# Altium PCB 400118.PcbDoc (part 2 of 3)
Units mil, origin at the board's own origin, x right, y up, seen from the top; angles counter-clockwise.
Board outline 4000 x 2500 mil, 4 copper layers (Top Layer, Mid-Layer 1, Mid-Layer 2, Bottom Layer), stack 62.293 mil thick; 195 components, 149 nets, 899 pads, 588 vias.
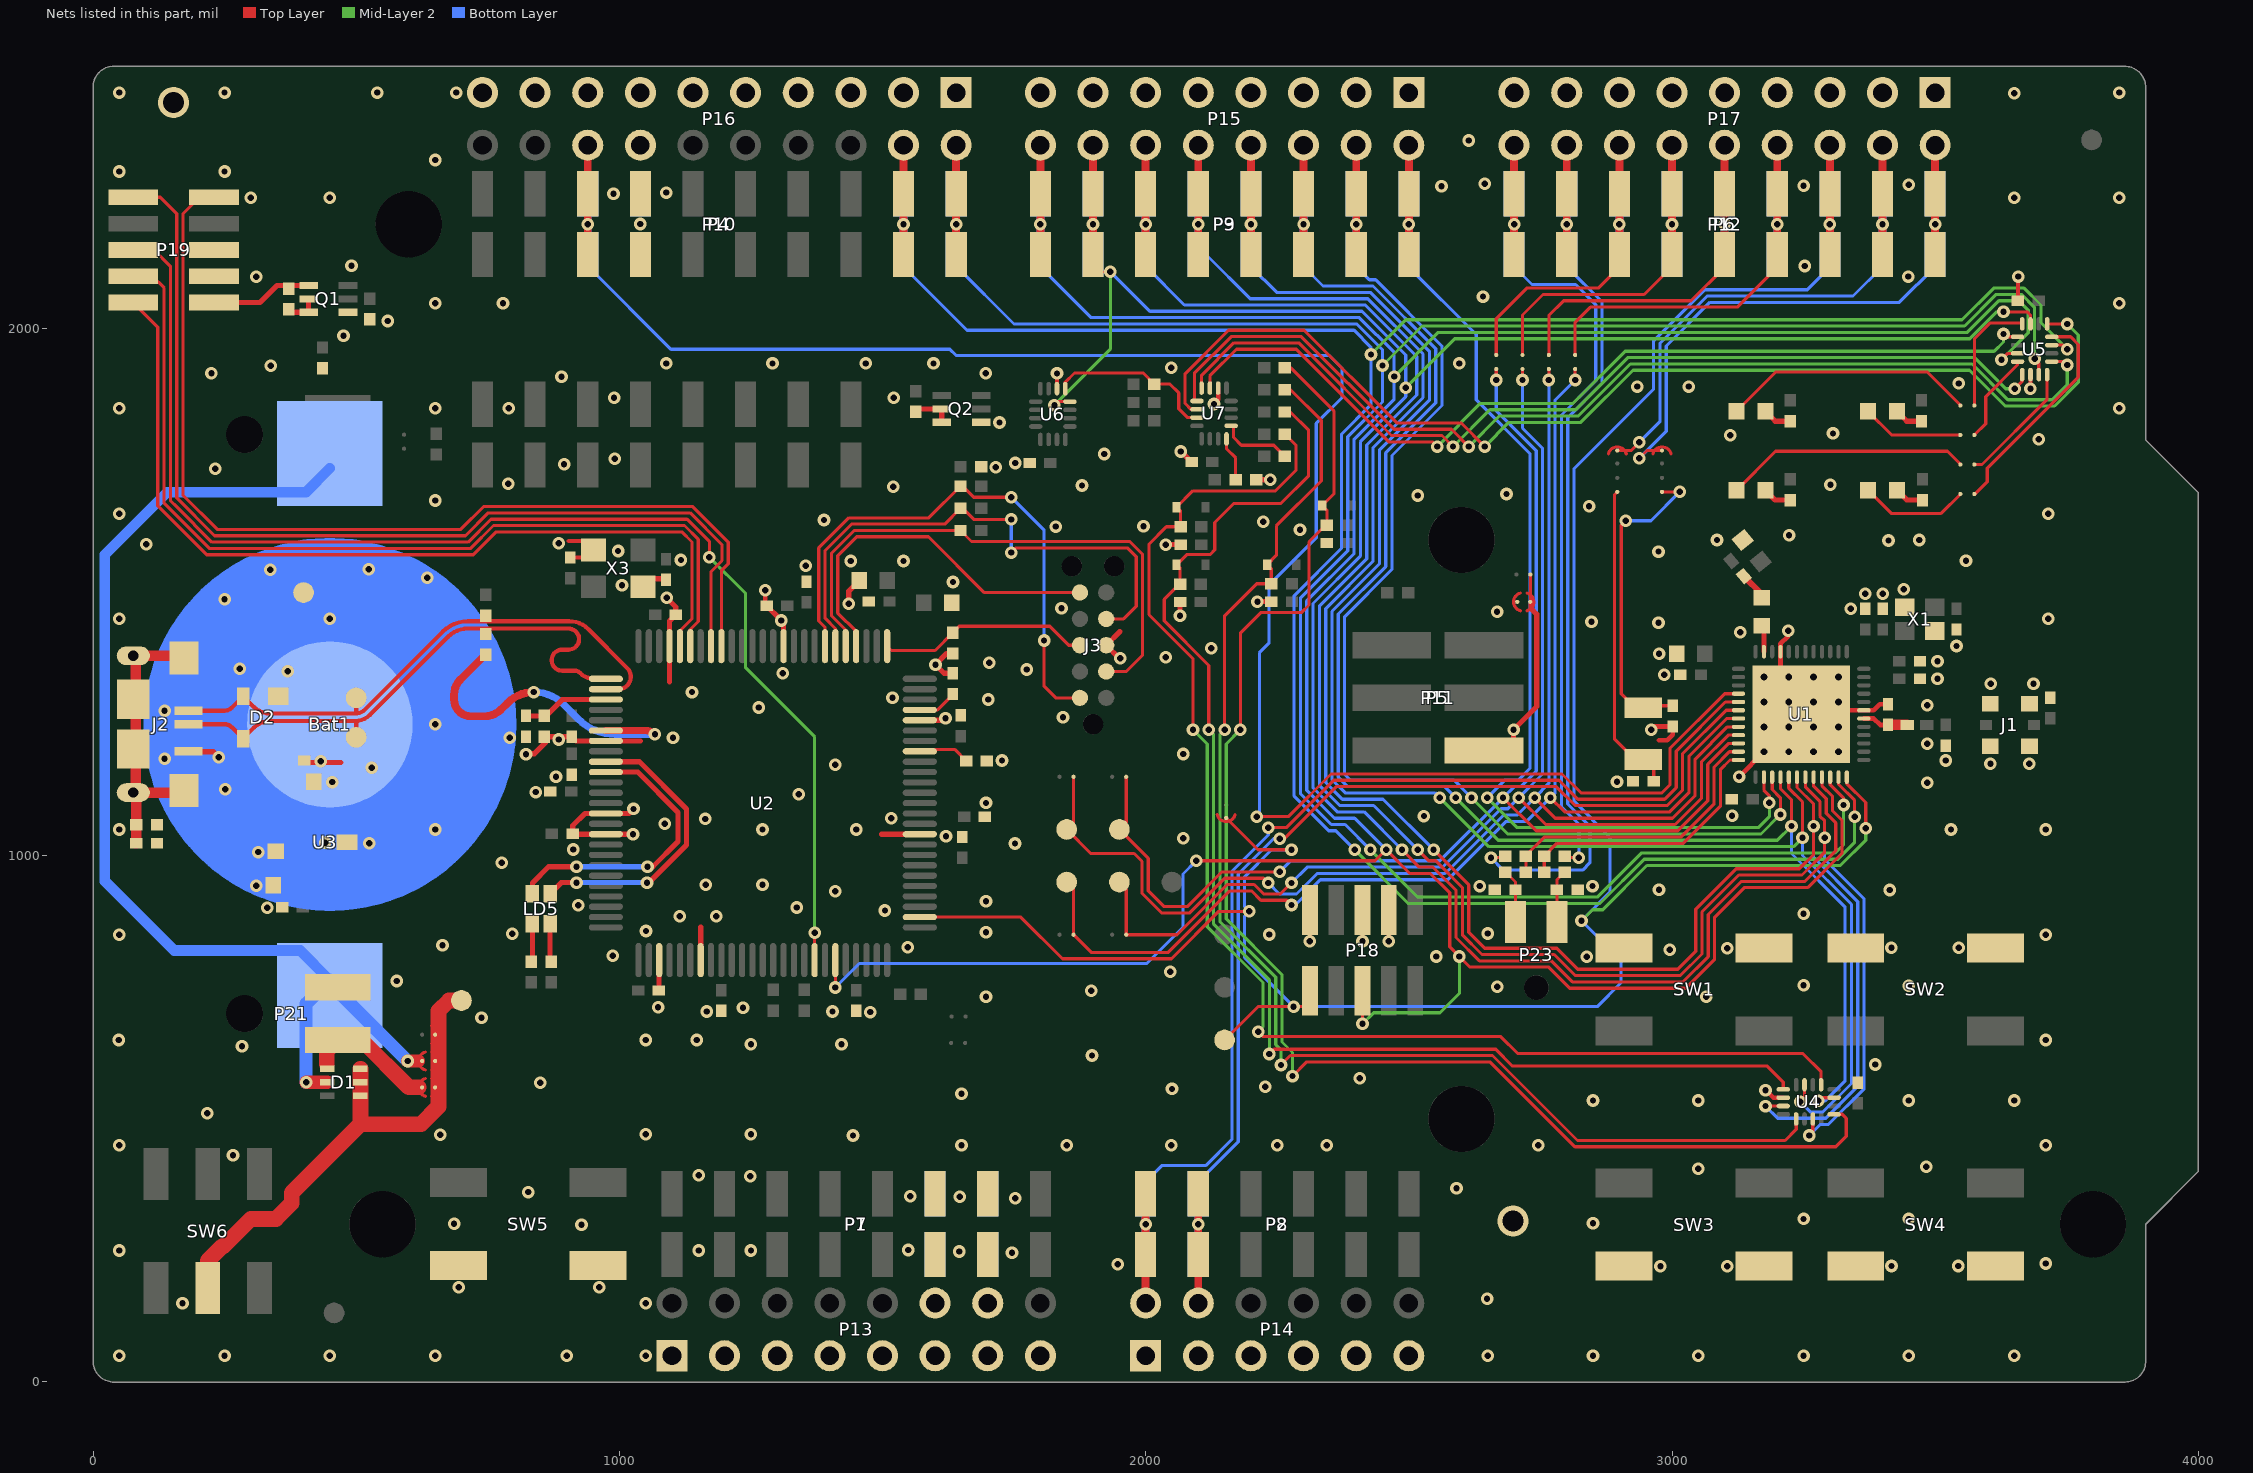
[diagram p4: the nets of this part, all layers, seen from the top]

## Via types
v1: diameter 24, hole 12, Top Layer to Bottom Layer, tented both sides, 551 vias
v2: diameter 24, hole 12, Top Layer to Bottom Layer, 21 vias
v3: diameter 25.98, hole 12.99, Top Layer to Bottom Layer, tented both sides, 16 vias

## Nets (pads, with @x,y where several pads share a name; then routed paths per layer and width w, separated by ;. In a path a pad name is that pad's centre, name@x,y a point inside that pad or via, vN(x,y) a via of type N, cw(c..) or ccw(c..) an arc to the next point about the centre after c; other vN are vias at no path point) (continued)
DFSD_P: R13.1 U2.81 | length 642.8
  Top Layer w13.78: U2.81@973.91,1236.86 1049.14,1236.86 ; 1049.86,1236.86 cw(c1049.86,1212.42) v1@1067.14,1229.7
  Top Layer w15: R13.1@745.55,1381.78 697.34,1333.57 ccw(c725.85,1305.06) 685.54,1305.06 685.54,1296.07 ccw(c717.54,1296.06) 717.54,1264.06 743.17,1264.07 ccw(c743.17,1309.43) 775.25,1277.35 787.33,1289.43 cw(c837.14,1239.62) v1(837.14,1310.07)
  Bottom Layer w13.78: v1(837.14,1310.07) cw(c837.14,1230.4) 893.48,1286.73 921.22,1258.99 ccw(c991.93,1329.7) 991.93,1229.7 v1@1067.14,1229.7
  other v1: 1067.14,1229.8
DHSD_N: D2.2 J2.2 R14.2 TP2.1 U2.77 | length 1124.2
  Top Layer w8: J2.2@181.38,1274.56 249.14,1274.56 ccw(c249.14,1294.56) 263.28,1280.42 D2.2@284.36,1301.49 ; D2.2@284.74,1302.42 284.74,1302.18 304.8,1282.12 ccw(c336.21,1313.54) 336.21,1269.11 497.36,1269.11 ccw(c497.36,1295.73) 516.18,1276.91 663.78,1424.5 ; 499.54,1271.28 TP2.1@499.54,1299.06 ; 663.68,1424.61 cw(c712.34,1375.94) 711.94,1444.76 904.16,1444.77 cw(c904.16,1393.38) 940.49,1429.71 1014.21,1355.99 ; 711.96,1444.76 cw(c712.34,1375.94) 712.34,1444.76 ; U2.77@973.91,1315.6 U2.77@997.33,1315.6 ; 1014.21,1355.99 cw(c997.33,1339.11) 997.33,1315.23 ccw(c997.33,1339.11) 1014.21,1355.99
  Top Layer w13.78: D2.2@284.74,1302.42 cw(c283.43,1302.42) 284.36,1301.49 ccw(c283.43,1302.42) D2.2@284.74,1302.42
DHSD_P: D2.3 J2.3 R13.2 TP1.1 U2.76 | length 1102.6
  Top Layer w8: J2.3@181.38,1249.06 249.14,1249.07 cw(c249.14,1229.06) 263.28,1243.21 D2.3@284.74,1221.71 ; D2.3@284.74,1221.96 304.79,1242.01 ; TP1.1@499.54,1224.06 499.54,1252.63 ; 674.11,1414.99 cw(c711.94,1377.16) 674.32,1415.2 cw(c711.94,1377.16) 711.94,1430.66 904.44,1430.67 ; 674.51,1415.4 526.16,1267.04 cw(c497.14,1296.06) 497.14,1255.03 336.21,1255.03 ; 890.96,1350.56 cw(c890.96,1370.56) 890.96,1390.56 ; 891.14,1350.57 914.88,1350.57 cw(c914.88,1336.91) 924.54,1346.56 ccw(c951.77,1373.8) 951.77,1335.28 U2.76@973.91,1335.29 ; 891.34,1390.57 903.16,1390.57 ccw(c903.16,1410.56) 903.16,1430.56 ; 304.79,1242.01 cw(c336.21,1210.6) 336.21,1255.03 ; 304.79,1242.01 cw(c336.21,1210.6) 336.21,1255.03
  Top Layer w13.78: D2.3@284.74,1221.71 D2.3@284.74,1221.96
EXT_GND_DETECT: P19.9 U2.67 | length 1918.7
  Top Layer w6: P19.9@229.31,2250.06 201.54,2250.06 170.54,2219.06 170.54,1683.95 235.42,1619.06 698.1,1619.06 741.54,1662.5 1139.05,1662.5 1206.54,1595.02 1206.54,1553.9 1193.4,1540.77 U2.67@1193.4,1397.29
EXT_RESET: P19.10 U2.68 | length 1946.2
  Top Layer w6: P19.10@75.76,2250.06 127.54,2250.06 158.54,2219.06 158.54,1678.98 230.45,1607.06 707.19,1607.06 750.62,1650.5 1134.08,1650.5 1194.54,1590.05 1194.54,1559.79 1173.72,1538.97 U2.68@1173.72,1397.29 U2.68@1173.54,1397.47
EXT_SWDCLK: P19.4 U2.70 | length 1765.6
  Top Layer w6: P19.4@75.76,2100.06 112.54,2100.06 134.54,2078.06 134.54,1669.04 220.51,1583.06 717.13,1583.06 760.56,1626.5 1123.29,1626.5 1149.54,1600.26 1149.54,1444.1 1134.35,1428.91 U2.70@1134.35,1397.29
EXT_SWDIO: P19.2 U2.71 | length 1692.3
  Top Layer w6: P19.2@75.76,2050.06 122.54,2003.29 122.54,1664.06 215.54,1571.06 722.1,1571.06 765.54,1614.5 1118.32,1614.5 1137.54,1595.29 1137.54,1449.07 1114.66,1426.19 U2.71@1114.66,1397.29
EXT_SWO: P19.6 U2.18 | length 2499.2
  Top Layer w6: P19.6@75.76,2150.06 115.54,2150.06 146.54,2119.06 146.54,1674.01 158.48,1662.06 225.48,1595.06 712.16,1595.06 755.59,1638.5 1128.32,1638.5 1170.54,1596.29 v1(1170.54,1566.39) ; U2.18@1370.57,800.84 v1(1370.57,852.84)
  Mid-Layer 2 w6: v1(1170.54,1566.39) 1239.54,1497.39 1239.54,1355.95 1370.57,1224.92 v1(1370.57,852.84)
EXT_VTG: P19.1 Q1.4 R8.1 | length 193.3
  Top Layer w10: P19.1@229.31,2050.06 316.54,2050.06 349.13,2082.66 Q1.4@409.13,2082.66
GND: Bat1.2 C1.2 C2.2 C3.1 C4.2 C5.2 C6.2 C7.2 C8.2 C9.2 C10.1 C11.1 C12.1 C13.2 C15.2 C16.1 C17.1 C18.1 C19.1 C20.1 C21.1 C22.2 C23.2 C24.1 C25.1 C26.1 C27.1 C28.1 C29.1 C30.1 C31.1 C32.1 C33.1 C34.1 C35.1 C36.2 C37.1 C38.1 C39.1 C40.1 C41.1 C42.2 C43.1 C44.1 C45.1 C46.1 C47.1 C48.2 C49.1 C50.1 C51.2 D2.1 J1.2 J2.5 J3.3 P1.6 P1.7 P4.7 P7.6 P7.7 P10.7 P13.1 P13.3 P13.5 P13.7 P13.9 P13.11 P13.12 P13.13 P13.14 P13.15 P14.1 P14.3 P14.5 P14.7 P14.9 P14.11 P15.1 P15.3 P15.5 P15.7 P15.9 P15.11 P15.13 P15.15 P16.1 P16.3 P16.5 P16.7 P16.9 P16.11 P16.13 P16.14 P16.15 P16.17 P16.19 P17.1 P17.3 P17.5 P17.7 P17.9 P17.11 P17.13 P17.15 P17.17 P18.3 P18.5 P18.9 P19.3 P19.5 P21.1 Q1.1 Q2.1 R7.2 R10.1 R11.1 R12.1 R17.1 R18.1 R24.2 R38.1 SB18.1 SW1.2 SW2.2 SW3.2 SW4.2 SW5.2 TP4.1 TP12.1 TP13.1 U1.31 U1.45 U1.49 U2.3 U2.7 U2.35 U2.46 U2.61 U2.72 U2.82 U2.89 U2.91 U3.3 U4.6 U5.6 U6.6 U7.6 X1.2 X1.4 X3.2 X3.4 | length 2480.2
  Top Layer w8: 903.54,1597.06 933.19,1597.06 X3.2@950.13,1580.12 935.76,1565.75 C22.2@906.14,1565.75 ; U6.6@1831.03,1886.46 v1(1831.03,1915.46) ; v1(2129.47,1857.46) 2137.34,1865.34 U7.6@2137.34,1887.69 ; v1(2311.54,836.46) P18.9@2311.54,896.01 ; v1(2411.54,836.46) P18.5@2411.54,896.01 ; v1(2461.54,836.46) P18.3@2461.54,896.01 ; v1(3177.2,553.47) 3178.31,553.47 3192.44,539.34 U4.6@3210.97,539.34 ; C45.1@3656.85,2053.46 v1@3656.85,2099.09 ; v1(3680.54,1886.46) 3680.66,1886.59 U5.6@3680.66,1913.24
  Top Layer w9: v1(1276.54,1503.39) 1276.54,1476.99 C35.1@1279.46,1474.07 ; v1(2960.15,1238.31) 2966.46,1244.62 C11.1@3001.15,1244.62 3001.15,1229.01 2990.45,1218.31 2974.67,1218.31 ; v1(3127,1149.51) 3127,1149.62 v3(3174.13,1196.76) U1.49@3245,1267.62 ; U1.49@3205.63,1354.24 U1.45@3205.63,1386.72 3205.63,1401.55 3220.54,1416.46 v1(3220.54,1426.26) 3218.29,1424.02 v1@3217.1,1424.02 ; U1.49@3269.31,1275.62 3382.77,1275.62 3394.06,1286.92 C3.1@3410.31,1286.92
  Top Layer w10: J2.5@186.38,1197.88 186.38,1196.56 228,1196.56 v2(238.54,1186.03) ; C21.1@400.83,1180.07 400.83,1176.07 470.64,1176.07 ; v1@827.14,1193.07 838.14,1193.07 860.14,1215.07 860.14,1225.38 C38.1@909.14,1225.38 917.35,1217.18 U2.82@973.91,1217.18 1039.42,1217.18 ; v1(1025.54,1040.06) v1(1025.54,1040.06) U2.91@973.91,1040.01 911.88,1040.01 C41.1@910.83,1041.07 910.83,1056.12 934.08,1079.38 U2.89@973.91,1079.38 1017.85,1079.38 v1(1026.54,1088.06) ; X3.4@1044.15,1525.38 C23.2@1088.14,1525.38 ; C24.1@1074.83,743.07 U2.3@1074.83,800.37 ; v1(1089.54,1489.07) 1106.83,1471.78 C36.2@1106.83,1457.07 1094.98,1445.22 U2.72@1094.98,1397.29 1094.98,1329.51 ; U2.7@1154.03,800.84 1154.03,863.56 ; C35.1@1279.46,1474.07 v1@1305.46,1448.07 ; U2.61@1311.51,1397.29 v1@1311.51,1439.82 ; v1(1435.54,1478.06) 1435.54,1502.03 C33.1@1455.57,1522.07 ; 1497.59,1040.01 U2.35@1570.37,1040.01 ; U2.46@1570.37,1256.55 1615.62,1256.55 v1(1619.14,1260.07) ; C30.1@1633.14,1345.75 1616.46,1345.75 v1(1600.14,1362.07) 1621.46,1383.38 R24.2@1633.14,1383.38 ; 1950.54,1425.06 J3.3@1924.53,1399.06 1949.53,1374.06 v1(1951.54,1374.06) ; v1(2037.84,1590.24) C48.2@2065.84,1590.24 ; v1(2064.84,1455.24) 2064.84,1481.15 C49.1@2064.93,1481.24 ; v1(2066.16,1767.24) 2066.84,1767.24 C47.1@2086.84,1747.24 ; R38.1@2209.9,1713.24 v1(2236.16,1713.24) ; v1(2211.84,1481.93) C50.1@2238.16,1481.93
  other v1: 49.54,49.06 249.54,49.06 449.54,49.06 649.54,49.06 899.54,49.06 1049.54,49.06 2649.54,49.06 2849.54,49.06 3049.54,49.06 3249.54,49.06 3449.54,49.06 3649.54,49.06 169.54,149.06 1049.54,149.06 2648.22,157.46 694.54,179.06 961.54,179.06 2977.55,219.18 3104.55,219.18 3416.55,219.62 3543.55,219.62 1946.54,223.06 3709.54,224.46 1745.54,245.06 1645.54,247.06 49.54,249.06 1150.54,249.06 1249.54,249.06 1548.54,250.06 927.54,298.06 685.54,300.06 2849.54,301.06 3249.54,309.06 3449.54,309.06 1751.54,348.06 1646.54,351.06 1552.54,352.06 826.54,360.06 2590.22,367.46 1248.54,390.06 1150.54,392.06 3049.55,404.11 3482.43,408.36 265.54,430.06 49.54,449.06 1649.54,449.06 1849.54,449.06 2048.04,449.06 2249.54,449.06 2343.54,449.06 2745.54,449.06 3709.54,449.06 1443.54,467.46 659.54,469.06 1049.54,470.06 1249.54,470.06 216.54,510.06 2849.54,534.06 3049.54,534.06 3449.54,534.06 3649.54,534.06 1649.54,547.06 2049.54,556.06 2226.54,560.46 849.54,568.06 2406.22,576.46 3385.54,602.46 1897.54,619.46 282.54,637.06 1249.54,641.06 1421.54,641.06 48.54,649.06 1049.54,649.06 1146.54,649.06 3709.54,649.06 737.54,691.06 1476.54,702.06 1165.54,703.06 1404.54,703.06 1234.54,710.06 1073.14,711.07 1696.22,731.46 3064.54,731.46 1896.22,742.46 2667.54,750.46 3449.54,752.06 3249.54,753.06 576.54,761.06 2046.22,778.46 2551.54,807.69 2837.54,807.46 987.14,809.07 2995.54,820.46 3104.54,823.46 3416.41,824.2 3544.41,824.2 1547.73,825.06 663.54,829.06 49.54,849.06 2234.54,849.46 3709.54,849.06 796.14,851.07 2649.54,851.46 1696.22,853.46 1050.14,856.07 1114.54,884.06 1183.54,884.06 3249.54,889.06 1504.14,895.07 330.54,900.06 1336.62,900.84 921.54,905.06 1696.22,912.46 1409.62,931.84 2974.84,934.46 3413.54,934.06 2634.54,941.46 2848.54,941.46 1163.54,944.06 1271.54,944.06 776.14,986.07 912.14,1011.07 1751.22,1022.46 2070.84,1032.46 1620.14,1036.07 49.54,1049.06 1271.54,1049.06 1449.54,1049.06 3529.54,1049.06 3709.54,1049.06 1085.54,1060.06 1162.54,1069.06 1516.14,1070.07 2528.22,1074.46 3113.66,1075.21 1696.22,1099.46 1340.62,1115.84 840.54,1120.06 3484.54,1137.49 2895.04,1139.75 879.14,1149.07 1409.62,1171.84 3604.54,1174.06 3678.54,1174.06 1726.54,1180.06 3519.54,1180.06 822.14,1192.07 2070.84,1192.46 3484.54,1212.07 884.14,1220.07 1101.54,1223.06 1842.54,1262.06 1264.62,1280.84 3484.54,1285.07 1700.54,1296.06 1518.54,1299.06 1137.54,1310.06 3605.41,1325.62 3686.41,1325.62 3504,1335.62 2985,1342.84 1310.14,1346.07 1773.54,1353.06 1702.54,1366.06 3504,1368.62 2037.84,1376.46 2975,1382.84 2123.84,1393.46 3540,1397.63 3129,1423.42 2974,1442 2846.54,1443.46 1307.14,1446.07 49.54,1449.06 3714.54,1449.06 2667.22,1462.46 3339,1468.62 1839.54,1469.06 3367,1497 3400,1497 3440,1505.63 1004.54,1513.07 1633.54,1519.06 1353.54,1550.07 1439.14,1559.07 1539.54,1559.06 3558,1559.62 1116.54,1561.06 2974,1577 997.14,1578.07 100.54,1591.06 884.14,1593.07 3411,1598 3085,1599 3469.54,1599.06 3222,1608 2292.84,1618.46 1828.84,1624.46 1995.54,1625.06 2222.84,1633.46 1388.38,1637.06 49.54,1649.06 3714.54,1649.06 2842,1663 649.54,1674.06 2516.22,1683.46 2685.22,1686.46 1519.84,1700.24 1878.62,1702.46 3300.54,1704.06 788.54,1706.06 231.54,1734.06 1714.84,1737.24 894.54,1743.06 1751.84,1745.24 990.54,1753.06 1920.62,1762.46 3696.22,1790.46 3110,1798 3305.54,1801.46 1721.84,1822.24 49.54,1849.06 649.54,1849.06 789.54,1849.06 3849.54,1849.06 989.54,1869.06 1520.84,1869.24 2933.22,1890.46 3031.22,1890.46 3544.54,1896.46 889.54,1909.06 224.54,1916.06 1695.54,1916.06 2047.84,1926.46 337.54,1930.06 1088.54,1934.46 1290.54,1934.46 1467.54,1934.46 1596.54,1934.46 2595.22,1934.46 475.54,1987.06 559.54,2015.06 649.54,2049.06 778.54,2049.06 3849.54,2049.06 2640.54,2061.46 309.54,2099.06 3448.54,2099.46 3657.22,2099.46 3251.54,2119.46 490.54,2120.06 1039.54,2199.46 299.54,2249.06 449.54,2249.06 3649.54,2249.06 3849.54,2249.06 988.54,2257.06 1088.54,2259.06 2561.54,2271.06 3249.54,2272.06 3449.54,2274.06 2643.54,2276.06 49.54,2299.06 249.54,2299.06 649.54,2321.06 2613.54,2358.06 3649.54,2448.06 49.54,2449.06 249.54,2449.06 539.54,2449.06 689.54,2449.06 3849.54,2449.06
  other v2: 309.54,942.06 313.54,1006.06 524.54,1023.06 440.54,1024.06 649.54,1049.06 250.54,1125.46 454.14,1139.07 529.14,1166.07 432.14,1178.57 135.54,1183.46 791.14,1223.07 649.54,1249.06 135.54,1274.46 369.54,1349.46 278.54,1354.46 449.54,1449.06 249.54,1486.46 634.54,1527.46 336.54,1542.46 523.54,1543.46
  other v3: 3221.38,1196.76 3268.62,1196.76 3315.87,1196.76 3174.13,1244 3221.38,1244 3268.62,1244 3315.87,1244 3174.13,1291.25 3221.38,1291.25 3268.62,1291.25 3315.87,1291.25 3174.13,1338.49 3221.38,1338.49 3268.62,1338.49 3315.87,1338.49
IMCU_RESET: J3.10 R23.1 U2.57 | length 1076.3
  Top Layer w6: U2.57@1390.25,1397.29 1390.25,1433.48 1378.54,1445.2 1378.54,1583.98 1435.62,1641.06 1587.69,1641.06 R23.1@1647.69,1701.07 1651.7,1701.07 1672.7,1680.07 v1(1744.22,1680.07) ; v1(1806.54,1408.06) 1806.54,1321.06 1828.54,1299.06 J3.10@1874.53,1299.06
  Bottom Layer w6: v1(1744.22,1680.07) 1806.54,1617.75 v1(1806.54,1408.06)
IMCU_TCKS: J3.4 R22.1 U2.56 | length 1057.3
  Top Layer w6: U2.56@1409.94,1397.29 1409.94,1430.77 1390.54,1450.17 1390.54,1579.01 1440.59,1629.06 1617.69,1629.06 R22.1@1647.69,1659.07 1651.7,1659.07 1672.7,1638.07 v1(1744.22,1638.07) ; v1(1744.22,1575.06) 1753.22,1584.06 1964.56,1584.06 1981.54,1567.09 1981.54,1473.06 1957.53,1449.06 J3.4@1924.53,1449.06
  Bottom Layer w6: v1(1744.22,1575.06) v1(1744.22,1638.07)
IMCU_TDIS: J3.8 R24.1 U2.51 | length 403.5
  Top Layer w6: U2.51@1508.36,1397.29 1516.59,1389.07 1599.46,1389.07 R24.1@1633.14,1422.75 1645.46,1435.06 1817.54,1435.06 1853.54,1399.06 J3.8@1874.53,1399.06
IMCU_TDOS: J3.6 U2.54 | length 705
  Top Layer w6: U2.54@1449.31,1397.29 1449.31,1425.34 1414.54,1460.11 1414.54,1569.06 1450.54,1605.06 1587.01,1605.06 1693.01,1499.06 J3.6@1874.53,1499.06
IMCU_TMSS: J3.2 R21.1 U2.55 | length 1089.2
  Top Layer w6: U2.55@1429.62,1397.29 1429.62,1428.05 1402.54,1455.14 1402.54,1574.04 1445.57,1617.06 R21.1@1647.69,1617.07 1668.69,1596.06 1969.38,1596.06 ; J3.2@1924.53,1349.06 1962.53,1349.06 1993.54,1380.06 1993.54,1572.06 1969.46,1596.14
INT_EXT: R31.1 U6.5 U7.11 | length 322.4
  Top Layer w6: U6.5@1846.78,1886.46 1846.78,1898.71 1864.31,1916.24 1994.84,1916.24 R31.1@2015.84,1895.24 2045.7,1895.24 2062.47,1878.46 2062.47,1848.46 2079.34,1831.59 U7.11@2096.99,1831.59
LED1: SB5.1 U5.16 | length 229.6
  Top Layer w6: SB5.1@3574.04,1854.46 3574.04,1980.96 3604.54,2011.46 U5.16@3664.54,2011.46
LED1_EXT: U5.1 U7.7 | length 1752.9
  Top Layer w6: U7.7@2121.6,1887.69 2121.6,1910.85 2172.21,1961.46 2285.54,1961.46 2461.54,1785.46 2544.54,1785.46 v1(2553.54,1776.46) ; v1(3629.48,1990.46) 3634.86,1985.09 U5.1@3656.05,1985.09
  Mid-Layer 2 w6: v1(2553.54,1776.46) 2635.54,1858.46 2811.54,1858.46 2910.54,1957.46 3611.54,1957.46 3629.29,1975.22 v1@3629.29,1988.54
LED2: SB6.1 U5.4 | length 173.4
  Top Layer w6: SB6.1@3574.04,1798.46 3595.54,1819.96 3595.54,1871.18 3656.05,1931.69 U5.4@3656.05,1937.84
LED2_EXT: U5.5 U7.8 | length 1803.3
  Top Layer w6: U7.8@2105.85,1887.69 2105.85,1912.1 2167.21,1973.46 2290.51,1973.46 2466.51,1797.46 2562.54,1797.46 v1(2583.54,1776.46) ; v1(3650.54,1886.46) 3664.91,1900.84 U5.5@3664.91,1913.24
  Mid-Layer 2 w6: v1(2583.54,1776.46) 2653.54,1846.46 2816.51,1846.46 2915.51,1945.46 3574.73,1945.46 3633.73,1886.46 v1(3650.54,1886.46)
LED3: SB7.1 U5.8 | length 236.5
  Top Layer w6: SB7.1@3574.04,1742.46 3588.54,1742.46 3712.16,1866.09 U5.8@3712.16,1913.24
LED3_EXT: U5.9 U7.9 | length 2000.8
  Top Layer w6: U7.9@2092.07,1863.24 2092.07,1915.69 2161.84,1985.46 2295.48,1985.46 2471.48,1809.46 2580.54,1809.46 v1(2613.54,1776.46) ; U5.9@3721.02,1937.84 3744.16,1937.84 v1(3750.54,1931.46)
  Mid-Layer 2 w6: v1(2613.54,1776.46) 2671.54,1834.46 2821.48,1834.46 2920.48,1933.46 3569.76,1933.46 3637.76,1865.46 3721.54,1865.46 3750.54,1894.46 v1(3750.54,1931.46)
LED4: SB8.1 U5.12 | length 422.4
  Top Layer w6: SB8.1@3575,1686 3598.54,1709.54 3598.54,1735.49 3771.54,1908.49 3771.54,1970.46 3756.91,1985.09 U5.12@3721.02,1985.09
LED4_EXT: U5.13 U7.10 | length 2171.3
  Top Layer w6: U7.10@2096.99,1847.34 2085.42,1847.34 2074.47,1858.29 2074.47,1915.09 2156.84,1997.46 2300.45,1997.46 2476.45,1821.46 2598.54,1821.46 v1(2643.54,1776.46) ; U5.13@3712.16,2009.69 v1@3750.31,2009.69
  Mid-Layer 2 w6: v1(2643.54,1776.46) 2689.54,1822.46 2826.45,1822.46 2925.45,1921.46 3564.79,1921.46 3632.79,1853.47 3726.51,1853.47 3771.54,1898.49 3771.54,1988.46 v1(3750.54,2009.46)
NetBat1_1: Bat1.1 D1.5 SB11.2 | length 2110.2
  Top Layer w25: v1(404.54,568.66) D1.5@444.54,568.66 ; v1(597.54,609.06) 618.07,609.06
  Bottom Layer w20: Bat1.1@449.44,762.85 393.22,819.06 153.54,819.06 21.54,951.06 21.54,1571.06 140.54,1690.06 404.22,1690.06 Bat1.1@449.44,1735.29
  Bottom Layer w25: v1(404.54,568.66) 404.54,717.94 449.44,762.85 449.44,757.16 v1(597.54,609.06)
NetC3_2: C3.2 L1.1 U1.30 | length 86.6
  Top Layer w9: U1.30@3364.09,1259.75 3382.79,1259.75 3394.99,1247.55 C3.2@3410.32,1247.55
  Top Layer w20: C3.2@3410,1247.75 L1.1@3445.31,1247.75
NetC11_2: C11.2 SB2.1 X2.1 | length 602.3
  Top Layer w6: v1(2911.54,1635.46) 2903,1626.93 2903,1307 2929.48,1280.52 X2.1@2945.15,1280.52 2948.62,1283.99 C11.2@3001.15,1283.99 ; SB2.1@2980.54,1690.46 v1(3014.54,1690.46)
  Bottom Layer w6: v1(2911.54,1635.46) 2959.54,1635.46 v1(3014.54,1690.46)
NetC12_2: C12.2 SB1.1 X2.2 | length 592.5
  Top Layer w6: SB1.1@2895.54,1690.46 2890.54,1685.46 2890.54,1220.46 2928.9,1182.1 X2.2@2945.15,1182.1 2964.83,1162.41 C12.2@2964.83,1140.31
NetC19_2: C19.2 J2.6@76.06,1119.14 J2.6@76.06,1201.82 J2.6@76.06,1296.31 J2.6@76.06,1378.99 J2.6@172.52,1123.08 J2.6@172.52,1375.05 R12.2 | length 552.4
  Top Layer w20: C19.2@81.69,1023.06 81.69,1118.51 J2.6@81.06,1119.14 ; J2.6@177.52,1123.08 173.58,1119.14 J2.6@81.06,1119.14 ; J2.6@177.52,1375.05 173.58,1378.99 81.06,1378.99 81.06,1296.31 81.06,1201.82 J2.6@81.06,1119.14
NetC30_2: C30.2 U2.47 | length 74.7
  Top Layer w6: U2.47@1570.37,1276.23 1604.31,1276.23 C30.2@1633.14,1305.07